# KiCad board Monorail_Steam_Reduced.kicad_pcb (continued)
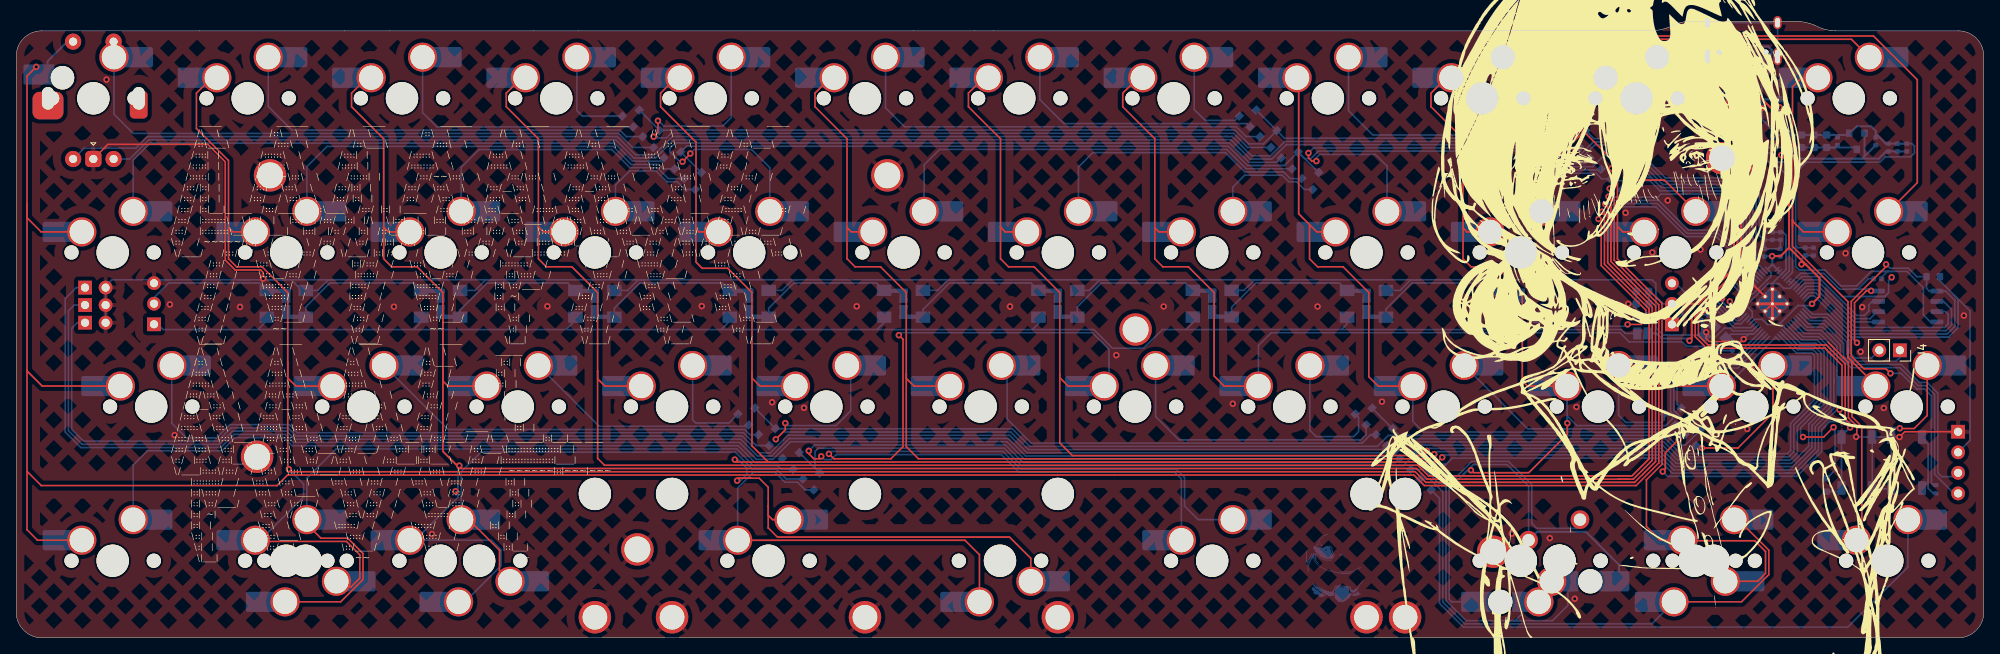
[diagram p0: board, top side]
## Routing (per net, layer and track width the routed paths; a pad name or vN(x,y) marks a point on that pad's centre or on a via; arc(x,y) is an arc through that point) (continued)
Net-(MX41-ROW): length 17.3
  Top w0.2: MX41.2 216.85,27.77 212.54,23.46 v1(208.09,23.46)
  Bottom w0.2: D17.1 207.63,23.46 v1(208.09,23.46)
Net-(MX42-ROW): length 50.3
  Top w0.2: v1(203.25,20.55) 203.57,20.87 203.57,22.86 v1(205.22,24.51) ; MX42.2 235.9,27.48 234.29,25.87 232.55,25.87 v1(232.52,25.9)
  Bottom w0.2: v1(205.22,24.51) 205.38,24.51 D17.2 ; v1(203.25,20.55) 203.84,19.96 219.81,19.96 222.87,23.03 222.87,25.74 223.86,26.72 226.65,26.72 227.39,25.98 232.43,25.98 v1(232.52,25.9)
Net-(MX43-ROW): length 54
  Top w0.2: MX43.2 118.9,10.27 117.13,12.05 89.08,12.05 MX45.1
  Bottom w0.2: MX45.1 89.06,18.5 91.02,20.47 93.66,20.47 94.9,19.22 96.46,19.22 97.4,18.28 D20.1
Net-(MX46-ROW): length 89.8
  Bottom w0.2: MX46.2 14.45,21.36 16.2,23.11 25.39,23.11 27.02,24.74 33.06,24.74 34.06,23.74 89.11,23.74 91.19,21.67 94.08,21.67 D19.2
Net-(MX47-ROW): length 61.2
  Top w0.2: MX47.2 55.87,14.6 59.66,10.82 59.66,8.29 MX53.1
  Bottom w0.2: D20.2 95.07,19.62 93.83,20.87 90.85,20.87 88.78,22.94 57.35,22.94 54.93,20.52 MX47.2
Net-(MX48-ROW): length 82.4
  Bottom w0.2: D21.1 175.7,17.24 175.7,4.27 178.65,1.32 226.09,1.32 233.52,8.75 MX48.2
Net-(MX58-COL): length 130.3
  Top w0.2: v1(97.84,23.11) 97.84,22.75 98.47,22.12 99.13,22.12 99.38,22.37 v1(99.38,22.42)
  Bottom w0.2: v1(99.38,22.42) 99.77,22.03 100.62,22.03 101.22,22.63 121.62,22.63 123.79,20.47 143,20.47 143.83,19.64 MX58.1 ; D22.2 170.28,21.67 124.29,21.67 122.12,23.83 98.56,23.83 v1(97.84,23.11)
Net-(SWR2-B): length 9.2
  Bottom w0.2: 235.26,24.71 236.02,23.96 236.02,19.63 ; 236.02,19.63 236.02,18.48 236.65,17.85 R14.2 ; 236.02,19.63 236.02,19.27 SWR2.2
Net-(U3-USB_DM): length 16.4
  Bottom w0.2: U3.46 218.86,45.33 218.86,56.87 216.86,58.88 R6.1
Net-(U3-USB_DP): length 18.3
  Bottom w0.2: U3.47 219.26,45.17 219.26,58.07 218.55,58.79 217.51,58.79 216.38,59.92 R7.1
unconnected-(U3-GPIO17-Pad28): length 1.3
  Bottom w0.2: v1(211.54,41.57) 212.42,40.68 U3.28

## Copper pours and planes (outline as drawn; the poured copper is in the pictures)
GND on Top, Bottom: 246.55,81.48 -5.87,81.48 -5.87,-8.1 -5.09,-8.89 246.55,-8.89 251,-4.45 251,77.04

## Text on the board
B.Silkscreen: || Monorail REDUX V¹ / || By ScatteredDrifter | EDGE RAIL | GP00 | GP01 | GND | 3v | SCL | SDA | GP08 | GP09 | GP10 | ENCODER | +5V | RGB
F.Fab: MX_stab
F.Silkscreen: _____                   _______                   _____                   _______                   _____                    _____                    _____                    _____ / /\    \                 /::\    \                 /\    \                 /::\    \                 /\    \                  /\    \                  /\    \                  /\    \ / /::\____\               /::::\    \               /::\____\               /::::\    \               /::\    \                /::\    \                /::\    \                /::\____\ / /::::|   |              /::::::\    \             /::::|   |              /::::::\    \             /::::\    \              /::::\    \               \:::\    \              /:::/    / / /:::::|   |             /::::::::\    \           /:::::|   |             /::::::::\    \           /::::::\    \            /::::::\    \               \:::\    \            /:::/    / / /::::::|   |            /:::/~~\:::\    \         /::::::|   |            /:::/~~\:::\    \         /:::/\:::\    \          /:::/\:::\    \               \:::\    \          /:::/    / / /:::/|::|   |           /:::/    \:::\    \       /:::/|::|   |           /:::/    \:::\    \       /:::/__\:::\    \        /:::/__\:::\    \               \:::\    \        /:::/    / / /:::/ |::|   |          /:::/    / \:::\    \     /:::/ |::|   |          /:::/    / \:::\    \     /::::\   \:::\    \      /::::\   \:::\    \              /::::\    \      /:::/    / / /:::/  |::|___|______   /:::/____/   \:::\____\   /:::/  |::|   | _____   /:::/____/   \:::\____\   /::::::\   \:::\    \    /::::::\   \:::\    \    ____    /::::::\    \    /:::/    / / /:::/   |::::::::\    \ |:::|    |     |:::|    | /:::/   |::|   |/\    \ |:::|    |     |:::|    | /:::/\:::\   \:::\____\  /:::/\:::\   \:::\    \  /\   \  /:::/\:::\    \  /:::/    / / /:::/    |:::::::::\____\|:::|____|     |:::|    |/:: /    |::|   /::\____\|:::|____|     |:::|    |/:::/  \:::\   \:::|    |/:::/  \:::\   \:::\____\/::\   \/:::/  \:::\____\/:::/____/ / \::/    / ~~~~~/:::/    / \:::\    \   /:::/    / \::/    /|::|  /:::/    / \:::\    \   /:::/    / \::/   |::::\  /:::|____|\::/    \:::\  /:::/    /\:::\  /:::/    \::/    /\:::\    \ / \/____/      /:::/    /   \:::\    \ /:::/    /   \/____/ |::| /:::/    /   \:::\    \ /:::/    /   \/____|:::::\/:::/    /  \/____/ \:::\/:::/    /  \:::\/:::/    / \/____/  \:::\    \ / /:::/    /     \:::\    /:::/    /            |::|/:::/    /     \:::\    /:::/    /          |:::::::::/    /            \::::::/    /    \::::::/    /            \:::\    \ / /:::/    /       \:::\__/:::/    /             |::::::/    /       \:::\__/:::/    /           |::|\::::/    /              \::::/    /      \::::/____/              \:::\    \ / /:::/    /         \::::::::/    /              |:::::/    /         \::::::::/    /            |::| \::/____/               /:::/    /        \:::\    \               \:::\    \ / /:::/    /           \::::::/    /               |::::/    /           \::::::/    /             |::|  ~|                    /:::/    /          \:::\    \               \:::\    \ / /:::/    /             \::::/    /                /:::/    /             \::::/    /              |::|   |                   /:::/    /            \:::\    \               \:::\    \ / /:::/    /               \::/____/                /:::/    /               \::/____/               \::|   |                  /:::/    /              \:::\____\               \:::\____\ / \::/    /                 ~~                      \::/    /                 ~~                      \:|   |                  \::/    /                \::/    /                \::/    / / \/____/                                           \/____/                                           \|___|                   \/____/                  \/____/                  \/____/ | _____                    _____                    _____                    _____ / /\    \                  /\    \                  /\    \                  /\    \                 ______ / /::\    \                /::\    \                /::\    \                /::\____\               |::|   | / /::::\    \              /::::\    \              /::::\    \              /:::/    /               |::|   | / /::::::\    \            /::::::\    \            /::::::\    \            /:::/    /                |::|   | / /:::/\:::\    \          /:::/\:::\    \          /:::/\:::\    \          /:::/    /                 |::|   | / /:::/__\:::\    \        /:::/__\:::\    \        /:::/  \:::\    \        /:::/    /                  |::|   | / /::::\   \:::\    \      /::::\   \:::\    \      /:::/    \:::\    \      /:::/    /                   |::|   | / /::::::\   \:::\    \    /::::::\   \:::\    \    /:::/    / \:::\    \    /:::/    /      _____         |::|   | / /:::/\:::\   \:::\____\  /:::/\:::\   \:::\    \  /:::/    /   \:::\ ___\  /:::/____/      /\    \  ______|::|___|___ ____ / /:::/  \:::\   \:::|    |/:::/__\:::\   \:::\____\/:::/____/     \:::|    ||:::|    /      /::\____\|:::::::::::::::::|    | / \::/   |::::\  /:::|____|\:::\   \:::\   \::/    /\:::\    \     /:::|____||:::|____\     /:::/    /|:::::::::::::::::|____| / \/____|:::::\/:::/    /  \:::\   \:::\   \/____/  \:::\    \   /:::/    /  \:::\    \   /:::/    /  ~~~~~~|::|~~~|~~~ / |:::::::::/    /    \:::\   \:::\    \       \:::\    \ /:::/    /    \:::\    \ /:::/    /         |::|   | / |::|\::::/    /      \:::\   \:::\____\       \:::\    /:::/    /      \:::\    /:::/    /          |::|   | / |::| \::/____/        \:::\   \::/    /        \:::\  /:::/    /        \:::\__/:::/    /           |::|   | / |::|  ~|               \:::\   \/____/          \:::\/:::/    /          \::::::::/    /            |::|   | / |::|   |                \:::\    \               \::::::/    /            \::::::/    /             |::|   | / \::|   |                 \:::\____\               \::::/    /              \::::/    /              |::|   | / \:|   |                  \::/    /                \::/____/                \::/____/               |::|___| / \|___|                   \/____/                  ~~                       ~~                      ~~
